# KiCad board gk.kicad_pcb
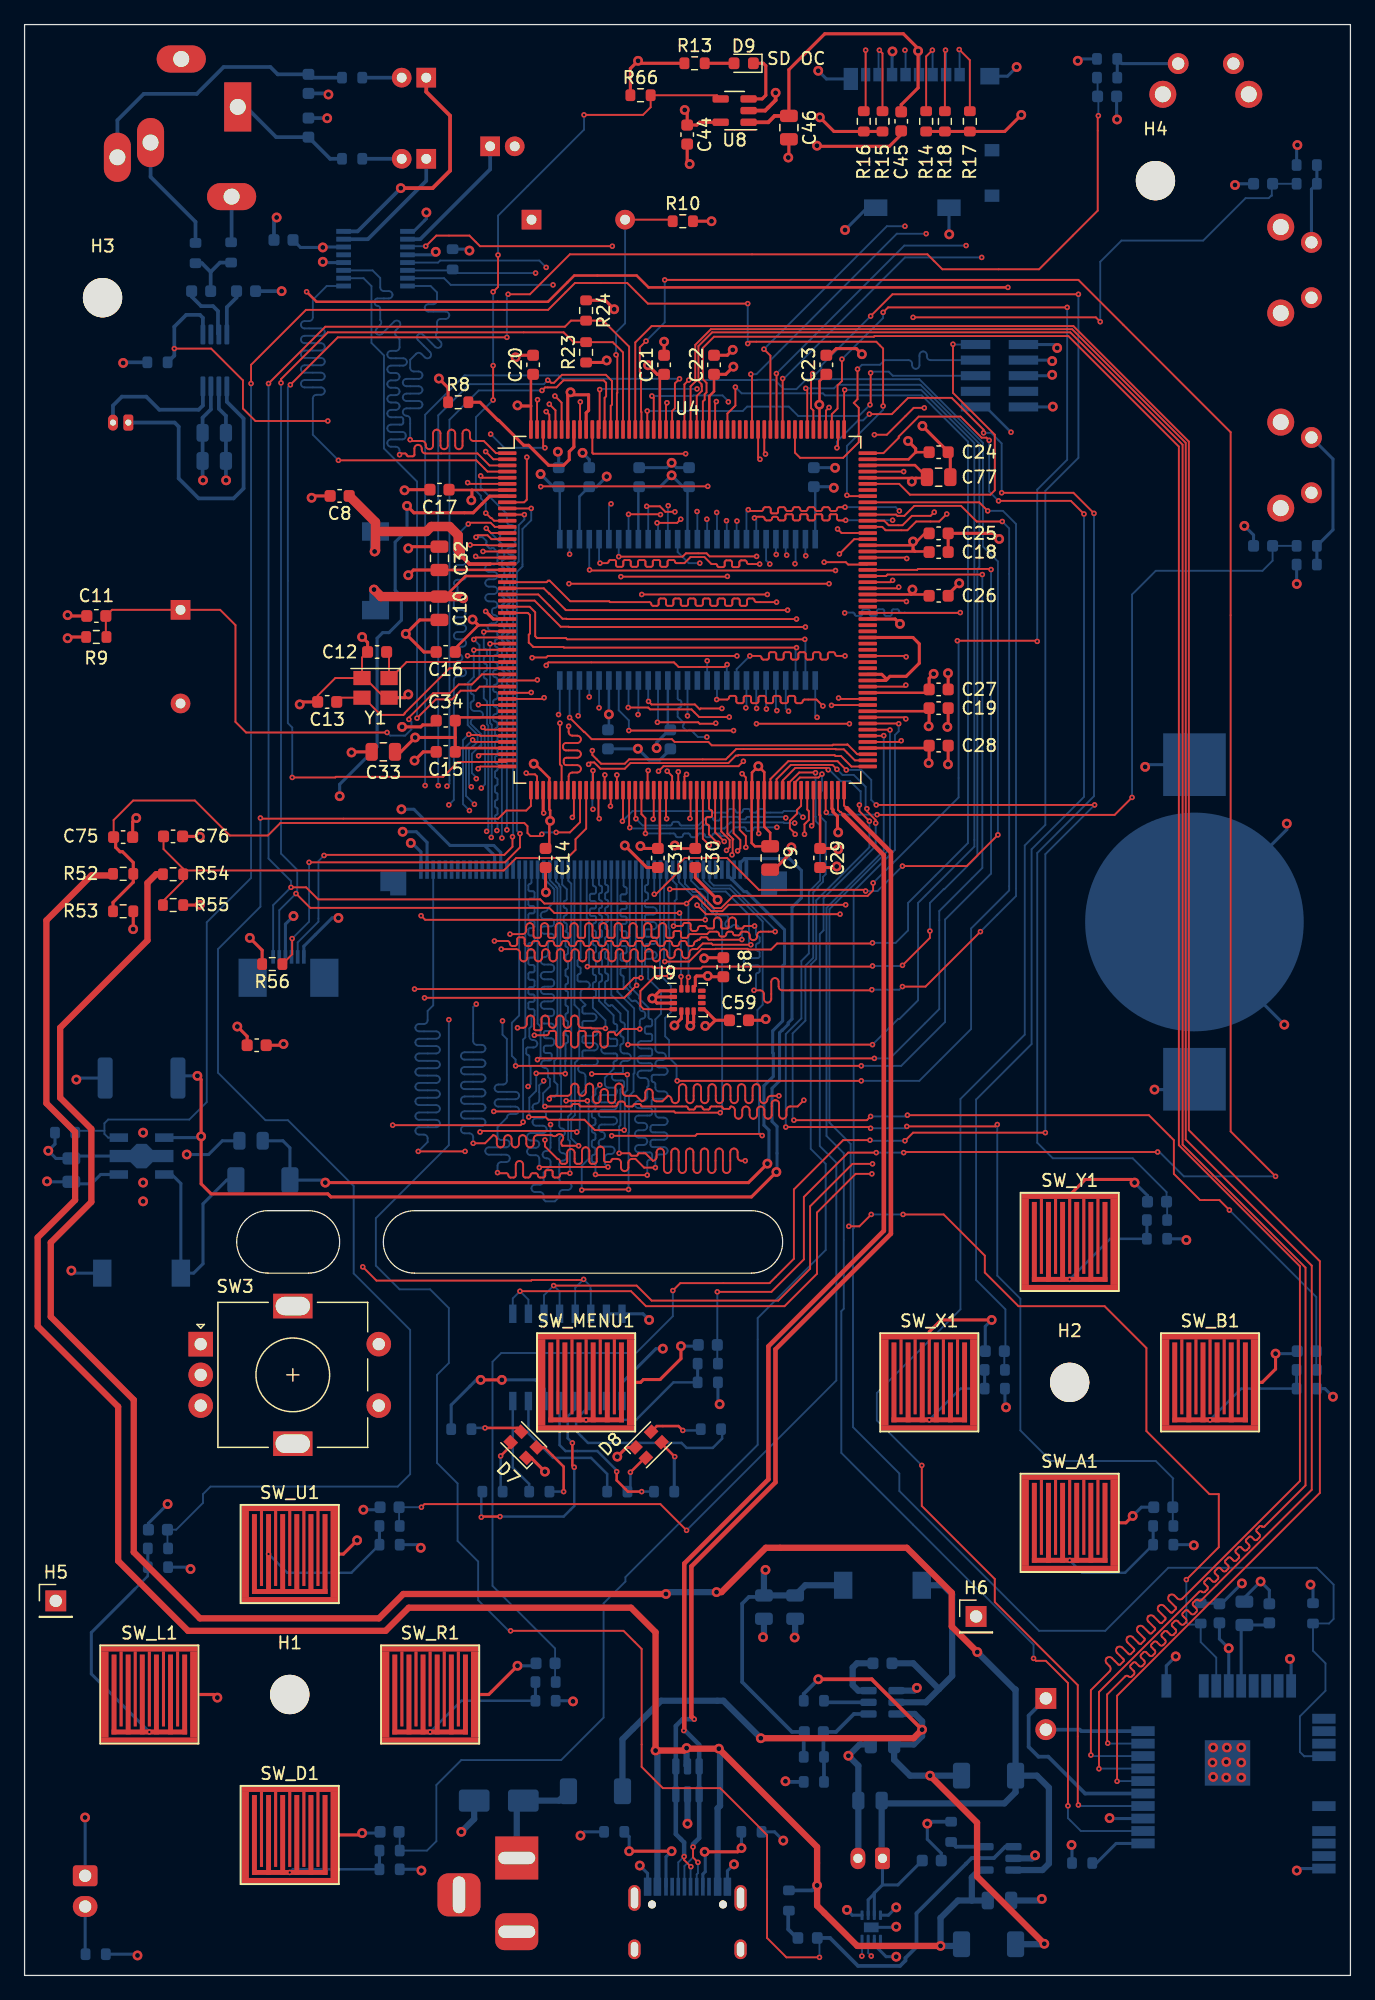
[diagram p0: board, top side]
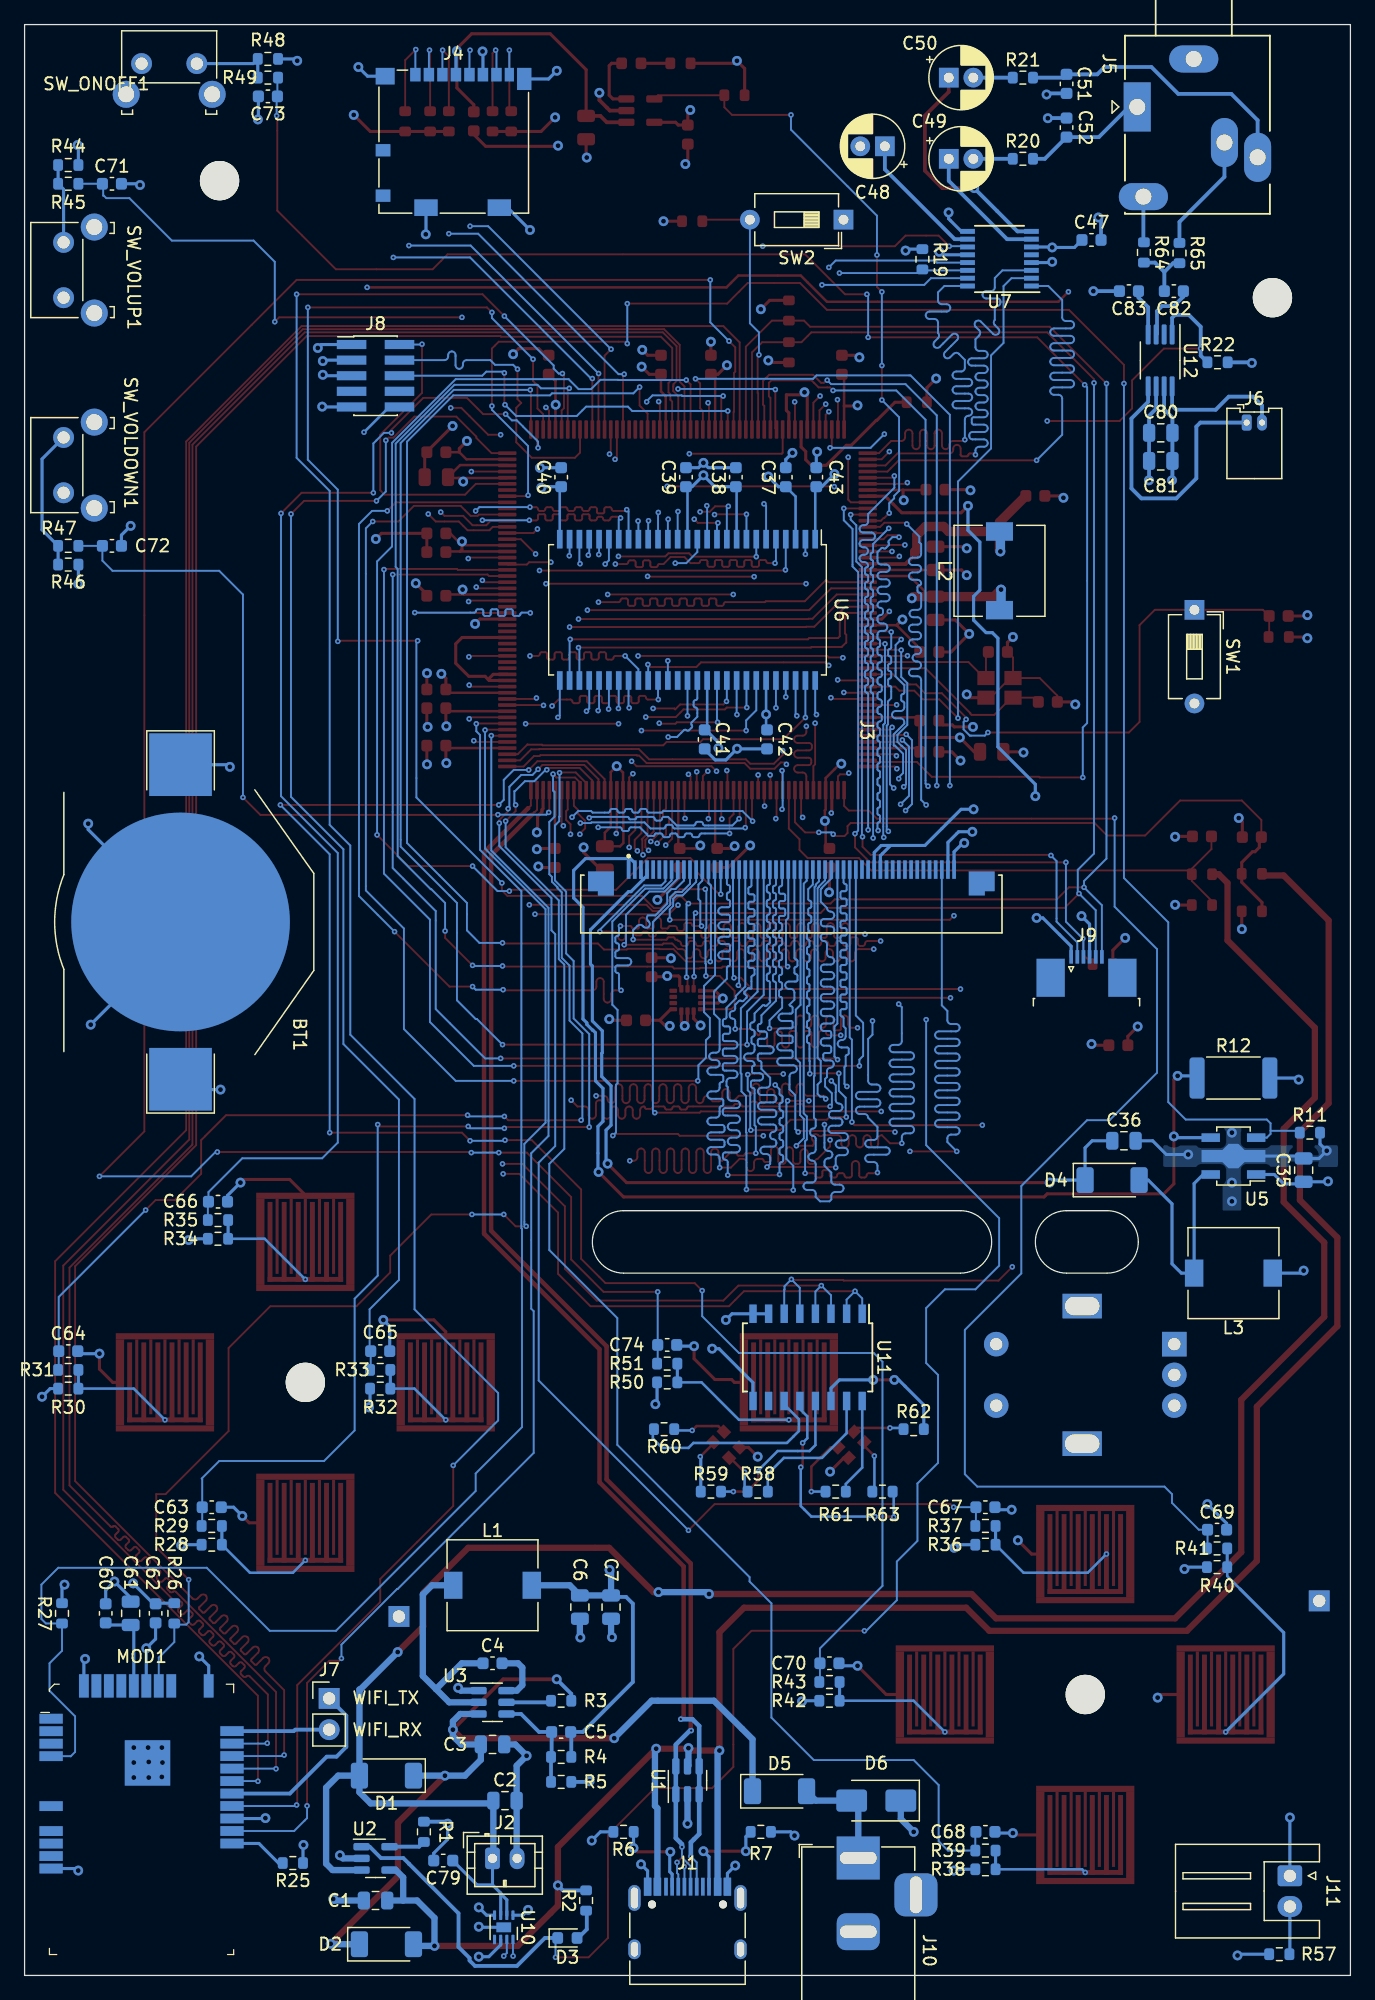
[diagram p1: board, bottom side, seen from below]

Outline 107.95 x 158.75 mm; copper layers: Top, In1.Cu, In2.Cu, In3.Cu, In4.Cu, Bottom. Coordinates in mm from the lower left corner of the outline.
Outline path: rectangle 0,158.75 107.95,0 ; 19.81,62.23 23.11,62.23 arc(25.65,59.69) 23.11,57.15 19.81,57.15 arc(17.27,59.69) 19.81,62.23 ; 31.75,57.15 arc(29.21,59.69) 31.75,62.23 59.18,62.23 arc(61.72,59.69) 59.18,57.15 31.75,57.15
Stack: Top 0.035mm / dielectric 0.0994mm FR4 er 4.1 / In1.Cu 0.0152mm / dielectric 0.55mm FR4 er 4.6 / In2.Cu 0.0152mm / dielectric 0.1088mm FR4 er 4.16 / In3.Cu 0.0152mm / dielectric 0.55mm FR4 er 4.6 / In4.Cu 0.0152mm / dielectric 0.0994mm FR4 er 4.1 / Bottom 0.035mm

## Placement (name value [footprint] x y rotation side)
BT1  Battery_Cell  [BatteryHolder_Keystone_3002_1x2032]  95.25 85.73 90 bottom
C1  4.7u  [C_0805_2012Metric]  79.38 6.1 0 bottom
C2  4.7u  [C_0805_2012Metric]  68.83 14.22 180 bottom
C3  10u  [C_0805_2012Metric]  69.85 18.8 180 bottom
C4  100n  [C_0603_1608Metric]  69.85 25.4 180 bottom
C5  10-100p  [C_0603_1608Metric]  64.26 19.81 0 bottom
C6  22u  [C_0805_2012Metric]  62.74 29.97 270 bottom
C7  22u  [C_0805_2012Metric]  60.2 29.97 270 bottom
C8  220p  [C_0603_1608Metric]  25.65 120.4 180 top
C9  10u  [C_0805_2012Metric]  60.71 90.93 270 top
C10  10u  [C_0805_2012Metric]  33.78 111.25 270 top
C11  100n  [C_0603_1608Metric]  5.84 110.62 180 top
C12  15p  [C_0603_1608Metric]  28.7 107.7 180 top
C13  15p  [C_0603_1608Metric]  24.64 103.63 180 top
C14  100n  [C_0603_1608Metric]  42.42 90.93 270 top
C15  100n  [C_0603_1608Metric]  34.29 99.57 180 top
C16  100n  [C_0603_1608Metric]  34.29 107.7 180 top
C17  100n  [C_0603_1608Metric]  33.78 120.9 180 top
C18  100n  [C_0603_1608Metric]  74.42 115.82 0 top
C19  100n  [C_0603_1608Metric]  74.42 103.12 0 top
C20  100n  [C_0603_1608Metric]  41.4 131.06 90 top
C21  100n  [C_0603_1608Metric]  52.07 131.06 90 top
C22  100n  [C_0603_1608Metric]  56.13 131.06 90 top
C23  100n  [C_0603_1608Metric]  65.28 131.06 90 top
C24  100n  [C_0603_1608Metric]  74.42 123.95 0 top
C25  100n  [C_0603_1608Metric]  74.42 117.35 0 top
C26  100n  [C_0603_1608Metric]  74.42 112.27 0 top
C27  100n  [C_0603_1608Metric]  74.42 104.65 0 top
C28  100n  [C_0603_1608Metric]  74.42 100.08 0 top
C29  100n  [C_0603_1608Metric]  64.77 90.93 270 top
C30  100n  [C_0603_1608Metric]  54.61 90.93 270 top
C31  100n  [C_0603_1608Metric]  51.56 90.93 270 top
C32  4.7u  [C_0805_2012Metric]  33.78 115.32 90 top
C33  1u  [C_0805_2012Metric]  29.21 99.57 180 top
C34  100n  [C_0603_1608Metric]  34.29 102.11 180 top
C35  22u  [C_0805_2012Metric]  3.81 65.53 90 bottom
C36  2.2u  [C_0805_2012Metric]  18.44 67.92 180 bottom
C37  100n  [C_0603_1608Metric]  45.97 121.92 90 bottom
C38  100n  [C_0603_1608Metric]  50.04 121.92 90 bottom
C39  100n  [C_0603_1608Metric]  54.1 121.92 90 bottom
C40  100n  [C_0603_1608Metric]  64.26 121.92 90 bottom
C41  100n  [C_0603_1608Metric]  52.58 100.58 270 bottom
C42  100n  [C_0603_1608Metric]  47.5 100.58 270 bottom
C43  100n  [C_0603_1608Metric]  43.49 121.92 90 bottom
C44  100n  [C_0603_1608Metric]  53.95 149.8 270 top
C45  100n  [C_0603_1608Metric]  71.37 150.88 270 top
C46  10u  [C_0805_2012Metric]  62.23 150.37 270 top
C47  100n  [C_0603_1608Metric]  21.08 141.22 180 bottom
C48  10u  [CP_Radial_D5.0mm_P2.00mm]  37.91 148.84 0 bottom
C49  10u  [CP_Radial_D5.0mm_P2.00mm]  32.71 147.83 180 bottom
C50  10u  [CP_Radial_D5.0mm_P2.00mm]  32.71 154.43 180 bottom
C51  100n  [C_0603_1608Metric]  23.11 153.92 270 bottom
C52  100n  [C_0603_1608Metric]  23.11 150.37 90 bottom
C58  100n  [C_0603_1608Metric]  56.9 82.04 90 top
C59  100n  [C_0603_1608Metric]  58.17 77.72 0 top
C60  10n  [C_0603_1608Metric]  101.35 29.46 90 bottom
C61  10u  [C_0805_2012Metric]  99.31 29.46 90 bottom
C62  100n  [C_0603_1608Metric]  97.28 29.46 90 bottom
C63  100n  [C_0603_1608Metric]  92.71 38.1 180 bottom
C64  100n  [C_0603_1608Metric]  104.39 50.8 180 bottom
C65  100n  [C_0603_1608Metric]  78.99 50.8 180 bottom
C66  100n  [C_0603_1608Metric]  92.2 62.96 180 bottom
C67  100n  [C_0603_1608Metric]  29.72 38.1 180 bottom
C68  100n  [C_0603_1608Metric]  29.72 11.68 180 bottom
C69  100n  [C_0603_1608Metric]  10.86 36.27 180 bottom
C70  100n  [C_0603_1608Metric]  42.42 25.4 180 bottom
C71  100n  [C_0603_1608Metric]  100.84 145.8 180 bottom
C72  100n  [C_0603_1608Metric]  100.84 116.33 180 bottom
C73  100n  [C_0603_1608Metric]  88.14 152.91 0 bottom
C74  100n  [C_0603_1608Metric]  55.63 51.31 180 bottom
C75  100n  [C_0603_1608Metric]  8.03 92.63 0 top
C76  100n  [C_0603_1608Metric]  12.09 92.69 0 top
C77  10u  [C_0805_2012Metric]  74.42 121.92 0 top
C78  100n  [C_0603_1608Metric]  18.9 75.69 180 top
C79  100n  [C_0603_1608Metric]  73.86 9.35 0 bottom
C80  10u  [C_0805_2012Metric]  15.44 125.53 180 bottom
C81  1u  [C_0805_2012Metric]  15.44 123.24 180 bottom
C82  0.1u  [C_0603_1608Metric]  14.38 137.06 0 bottom
C83  0.1u  [C_0603_1608Metric]  18.03 137.06 0 bottom
D1  D  [D_SOD-128]  78.49 16.26 0 bottom
D2  D  [D_SOD-128]  78.49 2.54 180 bottom
D3  LED  [LED_0603_1608Metric]  63.75 3.05 180 bottom
D4  D  [D_SOD-128]  19.41 64.72 180 bottom
D5  D  [D_SOD-128]  46.48 14.99 180 bottom
D6  D_TVS  [D_SMA]  38.61 14.22 0 bottom
D7  LED_ARGB  [LED_ASMB-KTF0-0A306]  40.64 43.18 135 top
D8  LED_ARGB  [LED_ASMB-KTF0-0A306]  50.8 43.18 45 top
D9  LED  [LED_0603_1608Metric]  58.55 155.6 180 top
H1  MountingHole  [MountingHole_3.2mm_M3]  21.59 22.86 0 top
H2  MountingHole  [MountingHole_3.2mm_M3]  85.09 48.26 0 top
H3  MountingHole  [MountingHole_3.2mm_M3]  6.35 136.53 0 top
H4  MountingHole  [MountingHole_3.2mm_M3]  92.08 146.05 0 top
H5  Conn_01x01  [PinHeader_1x01_P2.54mm_Vertical]  2.54 30.48 0 top
H6  Conn_01x01  [PinHeader_1x01_P2.54mm_Vertical]  77.47 29.21 0 top
J1  USB_C_Receptacle_USB2.0  [USB_C_Receptacle_HRO_TYPE-C-31-M-12]  53.97 3.18 180 bottom
J2  Conn_01x02  [JST_PH_B2B-PH-K_1x02_P2.00mm_Vertical]  69.85 9.53 180 bottom
J3  Conn_02x27_Top_Bottom  [AMPHENOL_F32Q-1A7H1-11054]  45.72 87.38 270 bottom
J4  Micro_SD_Card_Det2  [microSD_HC_Molex_104031-0811]  73.02 149.23 180 bottom
J5  AudioJack3_SwitchTR  [Jack_3.5mm_Ledino_KB3SPRS_Horizontal]  17.36 152.05 270 bottom
J6  Conn_01x02  [Molex_PicoBlade_53048-0210_1x02_P1.25mm_Horizontal]  8.45 126.36 180 bottom
J7  Conn_01x02  [PinHeader_1x02_P2.54mm_Vertical]  83.15 22.54 180 bottom
J8  Conn_ARM_JTAG_SWD_10  [PinHeader_2x05_P1.27mm_Vertical_SMD]  79.38 130.18 180 bottom
J9  Conn_01x06  [TE_0-1734839-6_1x06-1MP_P0.5mm_Horizontal]  21.49 81.53 180 bottom
J10  Barrel_Jack_Switch  [BarrelJack_Horizontal]  40.07 9.56 90 bottom
J11  Conn_01x02  [JST_XH_S2B-XH-A_1x02_P2.50mm_Horizontal]  4.93 8.11 270 bottom
L1  3.3u  [L_7.3x7.3_H4.5]  69.85 31.75 180 bottom
L2  2.2u  [L_7.3x7.3_H3.5]  28.58 114.3 90 bottom
L3  10u  [L_7.3x7.3_H3.5]  9.52 57.15 0 bottom
MOD1  ATWINC1500-MR210PB  [WIFI_Module_ATWINC1500-MR210PB]  98.42 12.7 180 bottom
R1  1k  [R_0603_1608Metric]  75.44 11.68 90 bottom
R2  1k  [R_0603_1608Metric]  62.23 6.1 90 bottom
R3  10k  [R_0603_1608Metric]  64.26 22.35 0 bottom
R4  31.6k  [R_0603_1608Metric]  64.26 17.78 0 bottom
R5  10k  [R_0603_1608Metric]  64.26 15.75 180 bottom
R6  5.1k  [R_0603_1608Metric]  59.18 11.68 0 bottom
R7  5.1k  [R_0603_1608Metric]  48.01 11.68 180 bottom
R8  10k  [R_0603_1608Metric]  35.31 128.02 0 top
R9  10k  [R_0603_1608Metric]  5.84 108.92 0 top
R10  10k  [R_0603_1608Metric]  53.59 142.75 0 top
R11  100k  [R_0603_1608Metric]  3.3 68.58 180 bottom
R12  20R  [R_2512_6332Metric]  9.52 73.03 180 bottom
R13  100k  [R_0603_1608Metric]  54.55 155.6 0 top
R14  10k  [R_0603_1608Metric]  73.41 150.88 90 top
R15  100k  [R_0603_1608Metric]  69.85 150.88 90 top
R16  100k  [R_0603_1608Metric]  68.33 150.88 90 top
R17  100k  [R_0603_1608Metric]  76.96 150.88 90 top
R18  100k  [R_0603_1608Metric]  74.93 150.88 90 top
R19  10k  [R_0603_1608Metric]  34.85 139.65 270 bottom
R20  36R  [R_0603_1608Metric]  26.67 147.83 180 bottom
R21  36R  [R_0603_1608Metric]  26.67 154.43 180 bottom
R22  10k  [R_0603_1608Metric]  10.82 131.27 180 bottom
R23  2.2k  [R_0603_1608Metric]  45.72 132.08 90 top
R24  2.2k  [R_0603_1608Metric]  45.72 135.48 270 top
R25  1M  [R_0603_1608Metric]  86.11 9.14 0 bottom
R26  100k  [R_0603_1608Metric]  95.76 29.46 90 bottom
R27  100k  [R_0603_1608Metric]  104.9 29.46 90 bottom
R28  10k  [R_0603_1608Metric]  92.71 35.05 180 bottom
R29  10k  [R_0603_1608Metric]  92.71 36.58 0 bottom
R30  10k  [R_0603_1608Metric]  104.39 47.75 180 bottom
R31  10k  [R_0603_1608Metric]  104.39 49.28 0 bottom
R32  10k  [R_0603_1608Metric]  78.99 47.75 180 bottom
R33  10k  [R_0603_1608Metric]  78.99 49.28 0 bottom
R34  10k  [R_0603_1608Metric]  92.2 59.94 180 bottom
R35  10k  [R_0603_1608Metric]  92.2 61.47 0 bottom
R36  10k  [R_0603_1608Metric]  29.72 35.05 180 bottom
R37  10k  [R_0603_1608Metric]  29.72 36.58 0 bottom
R38  10k  [R_0603_1608Metric]  29.72 8.64 180 bottom
R39  10k  [R_0603_1608Metric]  29.72 10.16 0 bottom
R40  10k  [R_0603_1608Metric]  10.86 33.22 180 bottom
R41  10k  [R_0603_1608Metric]  10.86 34.75 0 bottom
R42  10k  [R_0603_1608Metric]  42.42 22.35 180 bottom
R43  10k  [R_0603_1608Metric]  42.42 23.88 0 bottom
R44  10k  [R_0603_1608Metric]  104.39 147.32 0 bottom
R45  10k  [R_0603_1608Metric]  104.39 145.8 180 bottom
R46  10k  [R_0603_1608Metric]  104.39 114.81 0 bottom
R47  10k  [R_0603_1608Metric]  104.39 116.33 180 bottom
R48  10k  [R_0603_1608Metric]  88.14 155.96 0 bottom
R49  10k  [R_0603_1608Metric]  88.14 154.43 180 bottom
R50  10k  [R_0603_1608Metric]  55.63 48.26 180 bottom
R51  10k  [R_0603_1608Metric]  55.63 49.78 0 bottom
R52  100k  [R_0603_1608Metric]  8.03 89.64 0 top
R53  100k  [R_0603_1608Metric]  8.03 86.59 0 top
R54  100k  [R_0603_1608Metric]  12.09 89.61 0 top
R55  100k  [R_0603_1608Metric]  12.09 87.1 0 top
R56  10k  [R_0603_1608Metric]  20.17 82.3 180 top
R57  10k  [R_0603_1608Metric]  5.79 1.73 0 bottom
R58  130R  [R_0603_1608Metric]  48.26 39.37 180 bottom
R59  35R  [R_0603_1608Metric]  52.07 39.37 180 bottom
R60  45R  [R_0603_1608Metric]  55.88 44.45 0 bottom
R61  130R  [R_0603_1608Metric]  41.91 39.37 180 bottom
R62  35R  [R_0603_1608Metric]  35.56 44.45 180 bottom
R63  45R  [R_0603_1608Metric]  38.1 39.37 180 bottom
R64  10k  [R_0603_1608Metric]  16.81 140.21 270 bottom
R65  10k  [R_0603_1608Metric]  13.92 140.16 270 bottom
R66  100k  [R_0603_1608Metric]  50.15 153 0 top
SW1  SW_Push  [SW_DIP_SPSTx01_Slide_6.7x4.1mm_W7.62mm_P2.54mm_LowProfile]  12.7 111.13 270 bottom
SW2  SW_Push  [SW_DIP_SPSTx01_Slide_6.7x4.1mm_W7.62mm_P2.54mm_LowProfile]  41.27 142.88 0 bottom
SW3  RotaryEncoder_Switch  [RotaryEncoder_Alps_EC11E-Switch_Vertical_H20mm]  14.34 51.37 0 top
SW_A1  SW_Push  [TouchButton-8x8mm]  85.09 36.83 0 top
SW_B1  SW_Push  [TouchButton-8x8mm]  96.52 48.26 0 top
SW_D1  SW_Push  [TouchButton-8x8mm]  21.59 11.43 0 top
SW_L1  SW_Push  [TouchButton-8x8mm]  10.16 22.86 0 top
SW_MENU1  SW_Push  [TouchButton-8x8mm]  45.72 48.26 0 top
SW_ONOFF1  SW_Push  [SW_Tactile_SKHH_Angled]  98.42 155.58 180 bottom
SW_R1  SW_Push  [TouchButton-8x8mm]  33.02 22.86 0 top
SW_U1  SW_Push  [TouchButton-8x8mm]  21.59 34.29 0 top
SW_VOLDOWN1  SW_Push  [SW_Tactile_SKHH_Angled]  104.77 120.65 90 bottom
SW_VOLUP1  SW_Push  [SW_Tactile_SKHH_Angled]  104.77 136.53 90 bottom
SW_X1  SW_Push  [TouchButton-8x8mm]  73.66 48.26 0 top
SW_Y1  SW_Push  [TouchButton-8x8mm]  85.09 59.69 0 top
U1  WE-TVS-82400102  [SOT-23-6]  53.97 15.88 90 bottom
U2  MCP73831-2-OT  [SOT-23-5]  79.38 9.53 180 bottom
U3  AP62300WU  [TSOT-23-6]  69.85 22.23 180 bottom
U4  STM32H747BITx  [LQFP-208_28x28mm_P0.5mm]  53.97 111.13 0 top
U5  PT4110E89E  [SOT-89-5]  9.52 66.68 0 bottom
U6  IS42S16320F-7TLI-TR  [TSOP-II-54_22.2x10.16mm_P0.8mm]  53.97 111.13 270 bottom
U7  PCM1754DBQ  [SSOP-16_3.9x4.9mm_P0.635mm]  28.58 139.7 0 bottom
U8  TPS2041BDBV  [SOT-23-5]  57.81 151.75 180 top
U9  LSM6DSL  [LGA-14_3x2.5mm_P0.5mm_LayoutBorder3x4y]  53.97 79.38 0 top
U10  MAX17048  [TDFN-8-1EP_2x2mm_P0.5mm_EP0.8x1.2mm]  68.94 3.91 270 bottom
U11  ULN2003A  [SOIC-16W_5.3x10.2mm_P1.27mm]  44.2 50.29 270 bottom
U12  PAM8302AAS  [MSOP-8_3x3mm_P0.65mm]  15.49 131.42 270 bottom
Y1  16MHz  [Crystal_SMD_SeikoEpson_TSX3225-4Pin_3.2x2.5mm]  28.58 104.78 180 top

## Library data of the parts
BT1 = -: Description: Single-cell battery
C1-C47 C51 C52 C58-C83 = -: Description: Unpolarized capacitor
C48-C50 = -: Description: Polarized capacitor
D1 D2 D4 D5 = -: Description: Diode; Sim.Pins: 1=K 2=A
D3 D9 = -: Description: Light emitting diode
D6 = -: Description: Bidirectional transient-voltage-suppression diode
D7 D8 = -: Description: RGB LED, anode/red/green/blue
H1-H4 = -: Description: Mounting Hole without connection
H5 H6 = -: Description: Generic connector, single row, 01x01, script generated (kicad-library-utils/schlib/autogen/connector/)
J1 = -: Description: USB 2.0-only Type-C Receptacle connector
J2 J6 J7 J11 = -: Description: Generic connector, single row, 01x02, script generated (kicad-library-utils/schlib/autogen/connector/)
J3 = -: Description: Generic connector, double row, 02x27, top/bottom pin numbering scheme (row 1: 1...pins_per_row, row2: pins_per_row+1 ... num_pins), script generated (kicad-library-utils/schlib/autogen/connector/)
J4 = -: Description: Micro SD Card Socket with two card detection pins
J5 = -: Description: Audio Jack, 3 Poles (Stereo / TRS), Switched TR Poles (Normalling)
J8 = -: Description: Cortex Debug Connector, standard ARM Cortex-M SWD and JTAG interface
J9 = -: Description: Generic connector, single row, 01x06, script generated (kicad-library-utils/schlib/autogen/connector/)
J10 = -: Description: DC Barrel Jack with an internal switch
L1-L3 = -: Description: Inductor
MOD1 = -: Description: RF TXRX MODULE WIFI TRACE ANT; Category: RF/IF and RFID; DK_Datasheet_Link: http://www.microchip.com/mymicrochip/filehandler.aspx?ddocname=en594386; DK_Detail_Page: /product-detail/en/microchip-technology/ATWINC1500-MR210PB/ATWINC1500-MR210PB-ND/5322332; Digi-Key_PN: ATWINC1500-MR210PB-ND; Family: RF Transceiver Modules; Manufacturer: Microchip Technology; Status: Active
R1-R66 = -: Description: Resistor
SW1 SW2 SW_A1 SW_B1 SW_D1 SW_L1 SW_MENU1 SW_ONOFF1 SW_R1 SW_U1 SW_VOLDOWN1 SW_VOLUP1 SW_X1 SW_Y1 = -: Description: Push button switch, generic, two pins
SW3 = -: Description: Rotary encoder, dual channel, incremental quadrate outputs, with switch
U1 = -: Description: Low Capacitance TVS Diode Array, 2 Channels, SOT-23-6
U2 = -: Description: Single cell, Li-Ion/Li-Po charge management controller, 4.20V, Tri-State Status Output, in SOT23-5 package
U3 = -: Description: 3A, 750kHz Buck DC/DC Converter, PFM for light load efficiency, 4.2V-18V input voltage, 0.8V-7V adjustable output voltage, TSOT-23-6
U4 = -: Description: STMicroelectronics Arm Cortex-M7 MCU, 2048KB flash, 1024KB RAM, 480 MHz, 1.62-3.6V, 141 GPIO, LQFP208
U6 = -: Description: 256M – (16M x 16 bit) Synchronous DRAM (SDRAM), TSOP-II-54
U8 = -: Description: Single power-distribution switcher
U9 = -: Description: I2C/SPI, iNEMO inertial module: always-on 3D accelerometer and 3D gyroscope, 1.71V to 3.6V VCC
U11 = -: Description: High Voltage, High Current Darlington Transistor Arrays, SOIC16/SOIC16W/DIP16/TSSOP16
U12 = -: Description: 2.5W Filterless Class-D Mono Audio Amplifier, MSOP-8
Y1 = -: Description: Four pin crystal, GND on pins 2 and 4

## Footprints (pads in the part's own frame, mm; a bottom-side part is the same pattern mirrored in y, then rotated)
AMPHENOL_F32Q-1A7H1-11054
  rect 1.5x0.3 smd: 1(-2.61,-13.05) 2(-2.61,-12.55) 3(-2.61,-12.05) 4(-2.61,-11.55) 5(-2.61,-11.05) 6(-2.61,-10.55) 7(-2.61,-10.05) 8(-2.61,-9.55) 9(-2.61,-9.05) 10(-2.61,-8.55) 11(-2.61,-8.05) 12(-2.61,-7.55) 13(-2.61,-7.05) 14(-2.61,-6.55) 15(-2.61,-6.05) 16(-2.61,-5.55) 17(-2.61,-5.05) 18(-2.61,-4.55) 19(-2.61,-4.05) 20(-2.61,-3.55) 21(-2.61,-3.05) 22(-2.61,-2.55) 23(-2.61,-2.05) 24(-2.61,-1.55) 25(-2.61,-1.05) 26(-2.61,-0.55) 27(-2.61,-0.05) 28(-2.61,0.45) 29(-2.61,0.95) 30(-2.61,1.45) 31(-2.61,1.95) 32(-2.61,2.45) 33(-2.61,2.95) 34(-2.61,3.45) 35(-2.61,3.95) 36(-2.61,4.45) 37(-2.61,4.95) 38(-2.61,5.45) 39(-2.61,5.95) 40(-2.61,6.45) 41(-2.61,6.95) 42(-2.61,7.45) 43(-2.61,7.95) 44(-2.61,8.45) 45(-2.61,8.95) 46(-2.61,9.45) 47(-2.61,9.95) 48(-2.61,10.45) 49(-2.61,10.95) 50(-2.61,11.45) 51(-2.61,11.95) 52(-2.61,12.45) 53(-2.61,12.95) 54(-2.61,13.45)
  custom 1.96x2.11 smd: SH1(-1.61,-15.3) SH2(-1.61,15.7)
BarrelJack_Horizontal
  rect 3.5x3.5 hole 1x3: 1(0,0)
  rrect 3x3.5 hole 1x3: 2(-6,0)
  rrect 3.5x3.5 hole 3x1: 3(-3,-4.7)
BatteryHolder_Keystone_3002_1x2032
  rect 5.1x5.1 smd: 1(-12.8,0) 1(12.8,0)
  round 17.8 smd: 2(0,0)
C_0603_1608Metric
  rrect 0.9x0.95 smd: 1(-0.775,0) 2(0.775,0)
C_0805_2012Metric
  rrect 1x1.45 smd: 1(-0.95,0) 2(0.95,0)
CP_Radial_D5.0mm_P2.00mm
  rect 1.6x1.6 hole 0.8: 1(0,0)
  round 1.6 hole 0.8: 2(2,0)
Crystal_SMD_SeikoEpson_TSX3225-4Pin_3.2x2.5mm
  rect 1.4x1.15 smd: 1(-1.1,-0.8) 2(1.1,-0.8) 3(1.1,0.8) 4(-1.1,0.8)
D_SMA
  rrect 2.5x1.8 smd: 1(-2,0) 2(2,0)
D_SOD-128
  rrect 1.4x2.1 smd: 1(-2.2,0) 2(2.2,0)
Jack_3.5mm_Ledino_KB3SPRS_Horizontal
  oval 4x2.2 hole 1.3: R(4.1,9.8) RN(2.9,7.1)
  oval 2.2x4 hole 1.3: S(-3.9,4.6) TN(7.3,0.5)
  rect 4x2.2 hole 1.3: T(0,0)
JST_PH_B2B-PH-K_1x02_P2.00mm_Vertical
  rrect 1.2x1.75 hole 0.75: 1(0,0)
  oval 1.2x1.75 hole 0.75: 2(2,0)
JST_XH_S2B-XH-A_1x02_P2.50mm_Horizontal
  rrect 1.7x2 hole 1: 1(0,0)
  oval 1.7x2 hole 1: 2(2.5,0)
L_7.3x7.3_H3.5
  rect 1.5x2.2 smd: 1(-3.2,0) 2(3.2,0)
L_7.3x7.3_H4.5
  rect 1.5x2.2 smd: 1(-3.2,0) 2(3.2,0)
LED_0603_1608Metric
  rrect 0.875x0.95 smd: 1(-0.787,0) 2(0.787,0)
LED_ASMB-KTF0-0A306
  rect 0.9x0.8 smd: 1(-0.9,0.6) 2(-0.9,-0.6) 3(0.9,-0.6) 4(0.9,0.6)
LGA-14_3x2.5mm_P0.5mm_LayoutBorder3x4y
  rrect 0.625x0.35 smd: 1(-1.163,0.75) 2(-1.163,0.25) 3(-1.163,-0.25) 4(-1.163,-0.75) 8(1.163,-0.75) 9(1.163,-0.25) 10(1.163,0.25) 11(1.163,0.75)
  rrect 0.35x0.625 smd: 5(-0.5,-0.912) 6(0,-0.912) 7(0.5,-0.912) 12(0.5,0.912) 13(0,0.912) 14(-0.5,0.912)
LQFP-208_28x28mm_P0.5mm
  rrect 1.5x0.3 smd: 1(-14.675,12.75) 2(-14.675,12.25) 3(-14.675,11.75) 4(-14.675,11.25) 5(-14.675,10.75) 6(-14.675,10.25) 7(-14.675,9.75) 8(-14.675,9.25) 9(-14.675,8.75) 10(-14.675,8.25) 11(-14.675,7.75) 12(-14.675,7.25) 13(-14.675,6.75) 14(-14.675,6.25) 15(-14.675,5.75) 16(-14.675,5.25) 17(-14.675,4.75) 18(-14.675,4.25) 19(-14.675,3.75) 20(-14.675,3.25) 21(-14.675,2.75) 22(-14.675,2.25) 23(-14.675,1.75) 24(-14.675,1.25) 25(-14.675,0.75) 26(-14.675,0.25) 27(-14.675,-0.25) 28(-14.675,-0.75) 29(-14.675,-1.25) 30(-14.675,-1.75) 31(-14.675,-2.25) 32(-14.675,-2.75) 33(-14.675,-3.25) 34(-14.675,-3.75) 35(-14.675,-4.25) 36(-14.675,-4.75) 37(-14.675,-5.25) 38(-14.675,-5.75) 39(-14.675,-6.25) 40(-14.675,-6.75) 41(-14.675,-7.25) 42(-14.675,-7.75) 43(-14.675,-8.25) 44(-14.675,-8.75) 45(-14.675,-9.25) 46(-14.675,-9.75) 47(-14.675,-10.25) 48(-14.675,-10.75) 49(-14.675,-11.25) 50(-14.675,-11.75) 51(-14.675,-12.25) 52(-14.675,-12.75) 105(14.675,-12.75) 106(14.675,-12.25) 107(14.675,-11.75) 108(14.675,-11.25) 109(14.675,-10.75) 110(14.675,-10.25) 111(14.675,-9.75) 112(14.675,-9.25) 113(14.675,-8.75) 114(14.675,-8.25) 115(14.675,-7.75) 116(14.675,-7.25) 117(14.675,-6.75) 118(14.675,-6.25) 119(14.675,-5.75) 120(14.675,-5.25) 121(14.675,-4.75) 122(14.675,-4.25) 123(14.675,-3.75) 124(14.675,-3.25) 125(14.675,-2.75) 126(14.675,-2.25) 127(14.675,-1.75) 128(14.675,-1.25) 129(14.675,-0.75) 130(14.675,-0.25) 131(14.675,0.25) 132(14.675,0.75) 133(14.675,1.25) 134(14.675,1.75) 135(14.675,2.25) 136(14.675,2.75) 137(14.675,3.25) 138(14.675,3.75) 139(14.675,4.25) 140(14.675,4.75) 141(14.675,5.25) 142(14.675,5.75) 143(14.675,6.25) 144(14.675,6.75) 145(14.675,7.25) 146(14.675,7.75) 147(14.675,8.25) 148(14.675,8.75) 149(14.675,9.25) 150(14.675,9.75) 151(14.675,10.25) 152(14.675,10.75) 153(14.675,11.25) 154(14.675,11.75) 155(14.675,12.25) 156(14.675,12.75)
  rrect 0.3x1.5 smd: 53(-12.75,-14.675) 54(-12.25,-14.675) 55(-11.75,-14.675) 56(-11.25,-14.675) 57(-10.75,-14.675) 58(-10.25,-14.675) 59(-9.75,-14.675) 60(-9.25,-14.675) 61(-8.75,-14.675) 62(-8.25,-14.675) 63(-7.75,-14.675) 64(-7.25,-14.675) 65(-6.75,-14.675) 66(-6.25,-14.675) 67(-5.75,-14.675) 68(-5.25,-14.675) 69(-4.75,-14.675) 70(-4.25,-14.675) 71(-3.75,-14.675) 72(-3.25,-14.675) 73(-2.75,-14.675) 74(-2.25,-14.675) 75(-1.75,-14.675) 76(-1.25,-14.675) 77(-0.75,-14.675) 78(-0.25,-14.675) 79(0.25,-14.675) 80(0.75,-14.675) 81(1.25,-14.675) 82(1.75,-14.675) 83(2.25,-14.675) 84(2.75,-14.675) 85(3.25,-14.675) 86(3.75,-14.675) 87(4.25,-14.675) 88(4.75,-14.675) 89(5.25,-14.675) 90(5.75,-14.675) 91(6.25,-14.675) 92(6.75,-14.675) 93(7.25,-14.675) 94(7.75,-14.675) 95(8.25,-14.675) 96(8.75,-14.675) 97(9.25,-14.675) 98(9.75,-14.675) 99(10.25,-14.675) 100(10.75,-14.675) 101(11.25,-14.675) 102(11.75,-14.675) 103(12.25,-14.675) 104(12.75,-14.675) 157(12.75,14.675) 158(12.25,14.675) 159(11.75,14.675) 160(11.25,14.675) 161(10.75,14.675) 162(10.25,14.675) 163(9.75,14.675) 164(9.25,14.675) 165(8.75,14.675) 166(8.25,14.675) 167(7.75,14.675) 168(7.25,14.675) 169(6.75,14.675) 170(6.25,14.675) 171(5.75,14.675) 172(5.25,14.675) 173(4.75,14.675) 174(4.25,14.675) 175(3.75,14.675) 176(3.25,14.675) 177(2.75,14.675) 178(2.25,14.675) 179(1.75,14.675) 180(1.25,14.675) 181(0.75,14.675) 182(0.25,14.675) 183(-0.25,14.675) 184(-0.75,14.675) 185(-1.25,14.675) 186(-1.75,14.675) 187(-2.25,14.675) 188(-2.75,14.675) 189(-3.25,14.675) 190(-3.75,14.675) 191(-4.25,14.675) 192(-4.75,14.675) 193(-5.25,14.675) 194(-5.75,14.675) 195(-6.25,14.675) 196(-6.75,14.675) 197(-7.25,14.675) 198(-7.75,14.675) 199(-8.25,14.675) 200(-8.75,14.675) 201(-9.25,14.675) 202(-9.75,14.675) 203(-10.25,14.675) 204(-10.75,14.675) 205(-11.25,14.675) 206(-11.75,14.675) 207(-12.25,14.675) 208(-12.75,14.675)